# Altium PCB Archimajor.PcbDoc (part 2 of 12)
Units mm, origin at the board's own origin, x right, y up, seen from the top; angles counter-clockwise.
Board outline 190 x 140 mm, 6 copper layers (Top Layer, Top GND, Power Plane, Mid1, Bot GND, Bottom Layer), stack 1.776 mm thick; 1046 components, 682 nets, 3245 pads, 2865 vias.
Unrouted connection lines stored in the file: 97.
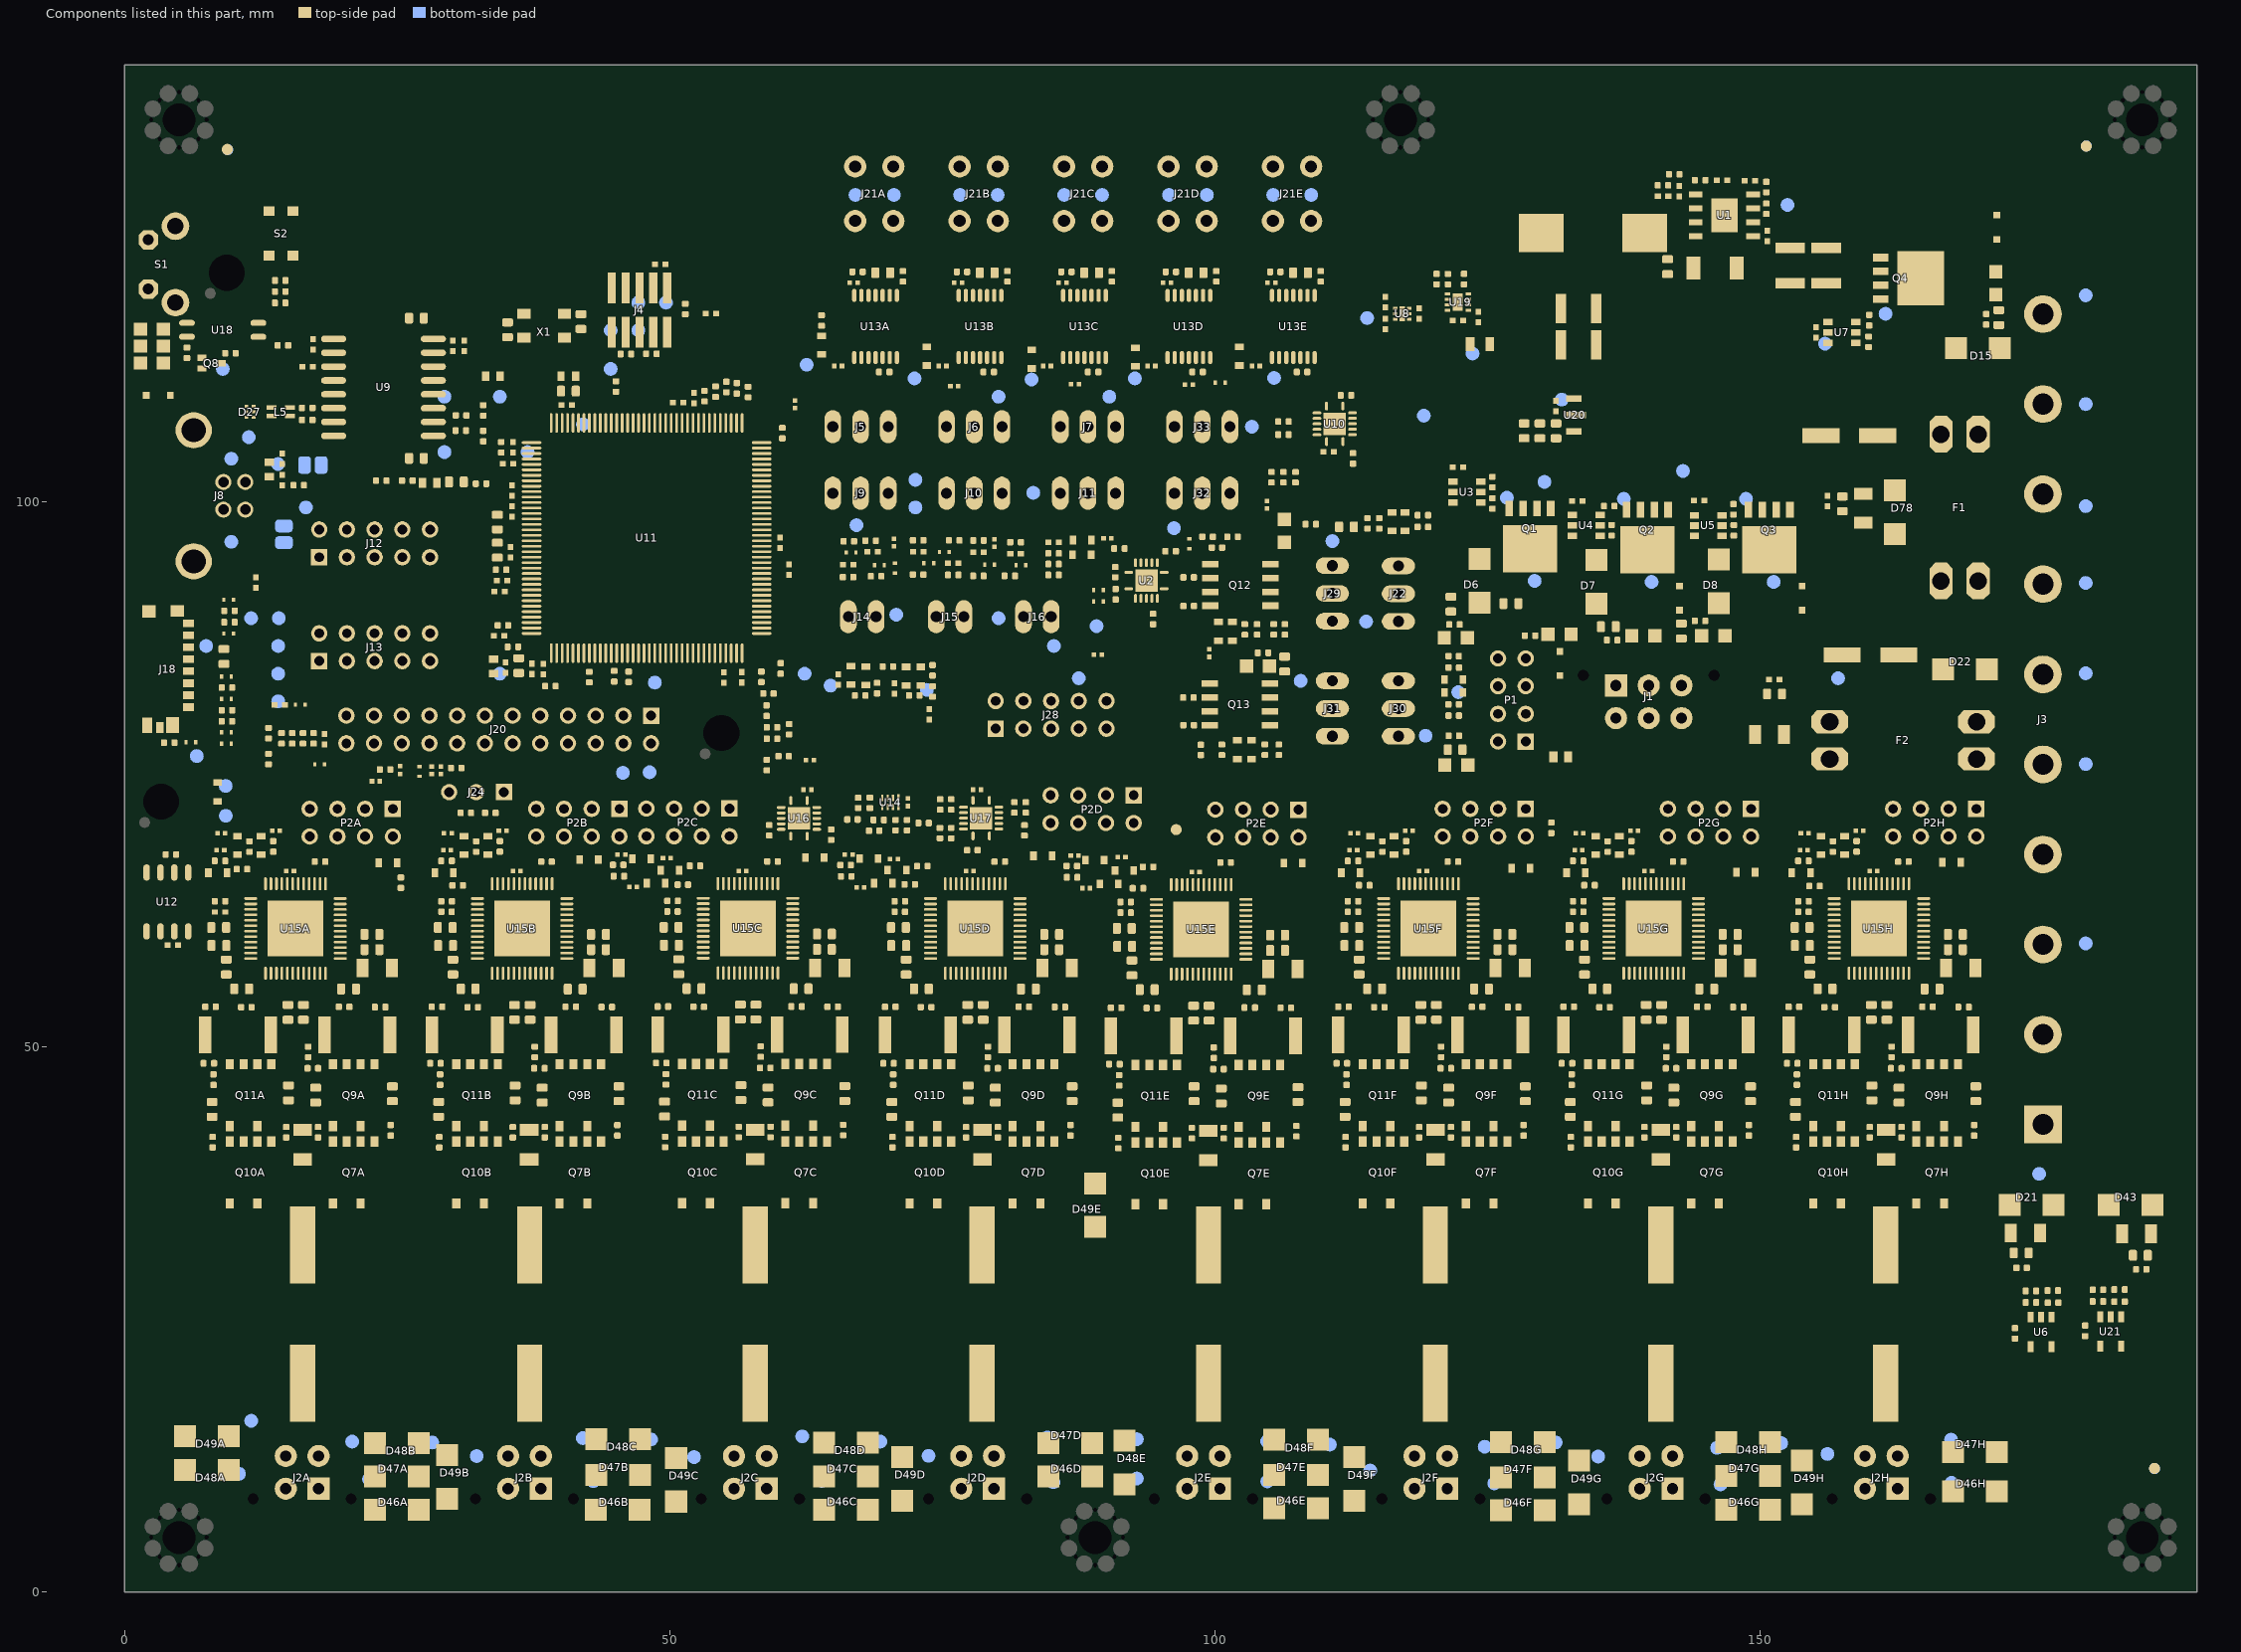
[diagram p6: the components of this part, seen from the top]

## Components (designator, comment, footprint, x,y, rotation, side; value= is the part's Value field where it differs from the comment) (continued)
Q11D "NVMFD5C478NT1G" "SO8FL-Dual (DFN8 5x6, 1.26P Dual Flag)" 73.882,45.56 r180 top (schematic designator Q11)
Q11E "NVMFD5C478NT1G" "SO8FL-Dual (DFN8 5x6, 1.26P Dual Flag)" 94.59,45.485 r180 top (schematic designator Q11)
Q11F "NVMFD5C478NT1G" "SO8FL-Dual (DFN8 5x6, 1.26P Dual Flag)" 115.432,45.56 r180 top (schematic designator Q11)
Q11G "NVMFD5C478NT1G" "SO8FL-Dual (DFN8 5x6, 1.26P Dual Flag)" 136.083,45.56 r180 top (schematic designator Q11)
Q11H "NVMFD5C478NT1G" "SO8FL-Dual (DFN8 5x6, 1.26P Dual Flag)" 156.733,45.56 r180 top (schematic designator Q11)
Q12 "NCV8402AD" NCV8402AD-SOIC8 102.313,92.336 r270 top value=NCV8402
Q13 "NCV8402AD" NCV8402AD-SOIC8 102.25,81.385 r270 top value=NCV8402
R1 "10.2k" R0402 144.466,129.448 r180 top
R2 "1.4K" R0402 150.529,128.821 r270 top
R3 "47R" R0402 68.343,72.359 r90 top
R4 "47R" R0402 69.148,70.784 r0 top
R5 "1.96k" R0402 142.091,129.998 r0 top
R6 "10K" R0402 128.868,87.684 r180 top
R7 "10K" R0402 136.393,87.284 r180 top
R8 "10K" R0402 144.455,89.034 r180 top
R9 "10K" R0402 170.693,116.698 r270 top
R10 "37.4k" R0402 141.055,128.974 r0 top
R11 "10K" R0402 150.529,126.84 r270 top
R12 "10K" R0402 121.943,88.709 r0 top
R13 "47R" R0402 70.693,70.309 r90 top
R14 "10K" R0402 121.888,78.509 r180 top
R15 "10K" R0402 104.393,86.109 r0 top
R16A "4.7k" R0402 8.755,67.035 r180 top (schematic designator R16)
R16B "4.7k" R0402 29.53,67.035 r0 top (schematic designator R16)
R16C "4.7k" R0402 45.333,65.633 r180 top (schematic designator R16)
R16D "4.7k" R0402 66.175,65.608 r180 top (schematic designator R16)
R16E "4.7k" R0402 86.883,65.533 r180 top (schematic designator R16)
R16F "4.7k" R0402 112.63,67.035 r0 top (schematic designator R16)
R16G "4.7k" R0402 133.28,67.035 r0 top (schematic designator R16)
R16H "4.7k" R0402 153.93,67.035 r0 top (schematic designator R16)
R17A "4.7k" R0402 13.637,68.365 r270 top (schematic designator R17)
R17B "4.7k" R0402 34.412,68.365 r270 top (schematic designator R17)
R17C "4.7k" R0402 45.268,66.669 r0 top (schematic designator R17)
R17D "4.7k" R0402 66.11,66.645 r0 top (schematic designator R17)
R17E "4.7k" R0402 86.853,66.569 r0 top (schematic designator R17)
R17F "4.7k" R0402 117.512,68.365 r270 top (schematic designator R17)
R17G "4.7k" R0402 138.163,68.365 r270 top (schematic designator R17)
R17H "4.7k" R0402 158.813,68.365 r270 top (schematic designator R17)
R18A "4.7k" R0402 11.462,68.35 r90 top (schematic designator R18)
R18B "4.7k" R0402 32.237,68.35 r90 top (schematic designator R18)
R18C "4.7k" R0402 52.308,66.584 r180 top (schematic designator R18)
R18D "4.7k" R0402 73.15,66.56 r180 top (schematic designator R18)
R18E "4.7k" R0402 93.858,66.484 r180 top (schematic designator R18)
R18F "4.7k" R0402 115.337,68.35 r90 top (schematic designator R18)
R18G "4.7k" R0402 135.988,68.35 r90 top (schematic designator R18)
R18H "4.7k" R0402 156.638,68.35 r90 top (schematic designator R18)
R19 "1k" R0402 66.418,96.334 r0 top
R20 "100R" R0402 136.35,97.344 r90 top
R21 "100R" R0402 147.551,97.346 r90 top
R22 "100K" R0402 66.339,93.054 r0 top
R23 "1k" R0402 68.918,93.134 r0 top
R24 "10r" R0402 147.526,99.276 r270 top value=10R
R25 "100R" R0402 159.905,114.629 r90 top
R26 "24K" R0402 174.795,27.6 r0 top
R27 "10r" R0402 159.956,116.611 r270 top value=10R
R28 "1M" R0402 173.329,23.717 r90 top
R29 "10K" R0402 111.99,109.723 r0 top
R30 "10K" R0402 106.261,107.321 r0 top
R31 "100K" R0402 51.423,117.639 r90 top
R32 "47R" R0402 71.743,70.309 r90 top
R33 "1K" R0402 14.283,120.254 r0 top value=1k
R34 "1K" R0402 14.279,119.241 r180 top value=1k
R35 "100K" R0402 68.414,96.396 r0 top
R36 "1K" R0402 14.278,118.198 r180 top value=1k
R37 "100K" R0402 45.974,113.51 r0 top
R38 "100K" R0402 48.311,113.535 r180 top
R39 "10K" R0402 106.261,106.121 r0 top
R40 "1k" R0402 53.188,109.652 r270 top
R41 "1k" R0402 45.062,110.526 r90 top
R42 "24r" R0402 32.893,108.344 r270 top value=24R
R43 "24r" R0402 16.764,108.573 r180 top value=24R
R44 "2k37" R0402 67.45,82.2 r0 top
R45 "24r" R0402 30.861,107.887 r180 top value=24R
R46 "24r" R0402 16.764,107.455 r180 top value=24R
R47 "24r" R0402 30.836,106.49 r180 top value=24R
R48 "24r" R0402 32.893,105.982 r90 top value=24R
R49 "6.8K" R0402 34.544,104.966 r270 top
R50 "2k37" R0402 69,82.871 r90 top
R51 "100K" R0402 32.69,101.613 r0 top
R52 "10R" R0402 125.417,101.775 r270 top
R53 "100R" R0402 125.417,99.8 r90 top
R54 "10K" R0402 112.643,103.934 r90 top
R55 "10R" R0402 136.133,99.564 r0 top
R56 "10K" R0402 174.794,26.548 r180 top
R57 "130k" R0402 176.796,27.639 r180 top
R58 "100K" R0402 176.819,26.523 r0 top
R59 "47R" R0402 75.8,69.58 r270 top
R60 "R0402TBD" R0402 59.368,79.284 r180 top
R61 "R0402TBD" R0402TBD 15.984,101.48 r180 top value=1M
R62 "4.7K" R0402 69.993,84.859 r0 top value=4.7k
R63 "100K" R0402 72.768,96.429 r0 top
R64 "10K" R0402 4.107,77.881 r180 top
R65 "10K" R0402 9.398,82.931 r180 top
R66 "10K" R0402 59.368,78.234 r180 top
R67 "10K" R0402 9.398,80.848 r0 top
R68 "10K" R0402 9.398,79.832 r0 top
R69 "10K" R0402 9.627,89.967 r180 top
R70 "10K" R0402 9.627,88.926 r180 top
R71 "1k" R0402 35.612,86.656 r180 top
R72 "1k" R0402 72.765,93.286 r0 top
R73 "100K" R0402 76.072,96.421 r180 top
R74 "1k" R0402 75.982,93.256 r180 top
R75 "100K" R0402 78.302,96.412 r0 top
R76 "1k" R0402 78.292,93.167 r0 top
R77 "24r" R0402 60.168,84.684 r90 top value=24R
R78 "100K" R0402 81.699,96.258 r0 top
R79 "1k" R0402 81.164,93.167 r0 top
R80 "4.7K" R0402 74.082,84.506 r90 top value=4.7k
R81 "2k37" R0402 72.407,82.206 r0 top
R82 "24r" R0402 58.393,83.909 r90 top value=24R
R83 "24r" R0402 58.868,80.809 r90 top value=24R
R84 "47R" R0402 75.8,72.21 r270 top
R85 "10K" R0402 4.257,67.62 r0 top
R86A "47R" R0402 17.925,66.96 r180 top (schematic designator R86)
R86B "47R" R0402 38.7,66.96 r180 top (schematic designator R86)
R86C "47R" R0402 59.408,66.984 r180 top (schematic designator R86)
R86D "47R" R0402 80.25,66.96 r180 top (schematic designator R86)
R86E "47R" R0402 100.958,66.884 r180 top (schematic designator R86)
R86F "47R" R0402 121.8,66.96 r180 top (schematic designator R86)
R86G "47R" R0402 142.45,66.96 r180 top (schematic designator R86)
R86H "47R" R0402 163.1,66.96 r180 top (schematic designator R86)
R87 "2k37" R0402 74.087,82.56 r90 top
R88A "47R" R0402 69.657,111.859 r0 top (schematic designator R88)
R88B "47R" R0402 79.233,111.859 r0 top (schematic designator R88)
R88C "47R" R0402 88.809,111.859 r0 top (schematic designator R88)
R88D "47R" R0402 98.385,111.859 r0 top (schematic designator R88)
R88E "47R" R0402 107.96,111.859 r0 top (schematic designator R88)
R89 "47R" R0402 77.736,68.016 r180 top
R90 "4.7K" R0402 85.177,94.256 r180 top value=4.7k
R91 "2k37" R0402 85.182,95.231 r0 top
R92 "2k37" R0402 85.182,93.256 r180 top
R93 "47R" R0402 81.593,71.934 r270 top
R94 "47R" R0402 58.893,75.829 r270 top
R95 "10K" R0402 63.915,116.584 r270 top
R96 "10K" R0402 108.768,97.909 r0 top
R97 "10K" R0402 130.818,70.059 r270 top
R98 "100R" R0402 97.568,93.034 r0 top
R99 "100R" R0402 97.568,90.409 r0 top
R100 "10K" R0402 25.343,65.034 r90 top
R101 "10K" R0402 90.875,91.481 r90 top
R102 "1k" R0402 122.821,120.384 r90 top
R103 "0R" R0603 131.693,76.584 r180 top
R107A "2.2R" R0402 8.763,63.336 r180 top (schematic designator R107)
R107B "2.2R" R0402 29.538,63.336 r180 top (schematic designator R107)
R107C "2.2R" R0402 50.246,63.36 r180 top (schematic designator R107)
R107D "2.2R" R0402 71.088,63.336 r180 top (schematic designator R107)
R107E "2.2R" R0402 91.796,63.26 r180 top (schematic designator R107)
R107F "2.2R" R0402 112.638,63.336 r180 top (schematic designator R107)
R107G "2.2R" R0402 133.288,63.336 r180 top (schematic designator R107)
R107H "2.2R" R0402 153.938,63.336 r180 top (schematic designator R107)
R108A "1k" R0402 10.773,66.276 r180 top (schematic designator R108)
R108B "1k" R0402 30.548,64.776 r180 top (schematic designator R108)
R108C "1k" R0402 51.198,64.851 r180 top (schematic designator R108)
R108D "1k" R0402 71.998,64.876 r180 top (schematic designator R108)
R108E "1k" R0402 92.923,64.526 r180 top (schematic designator R108)
R108F "1k" R0402 113.673,64.801 r180 top (schematic designator R108)
R108G "1k" R0402 134.323,64.801 r180 top (schematic designator R108)
R108H "1k" R0402 154.948,64.726 r180 top (schematic designator R108)
R109 "100R" R0402 55.194,110.49 r90 top
R110A "10R" R0402 24.409,42.33 r270 top (schematic designator R110)
R110B "10R" R0402 45.184,42.33 r270 top (schematic designator R110)
R110C "10R" R0402 65.892,42.354 r270 top (schematic designator R110)
R110D "10R" R0402 86.734,42.33 r270 top (schematic designator R110)
R110E "10R" R0402 107.442,42.254 r270 top (schematic designator R110)
R110F "10R" R0402 128.284,42.33 r270 top (schematic designator R110)
R110G "10R" R0402 148.935,42.33 r270 top (schematic designator R110)
R110H "10R" R0402 169.585,42.33 r270 top (schematic designator R110)
R111A "10R" R0402 17.755,42.152 r90 top (schematic designator R111)
R111B "10R" R0402 38.53,42.152 r90 top (schematic designator R111)
R111C "10R" R0402 59.237,42.176 r90 top (schematic designator R111)
R111D "10R" R0402 80.08,42.152 r90 top (schematic designator R111)
R111E "10R" R0402 100.787,42.076 r90 top (schematic designator R111)
R111F "10R" R0402 121.63,42.152 r90 top (schematic designator R111)
R111G "10R" R0402 142.28,42.152 r90 top (schematic designator R111)
R111H "10R" R0402 162.93,42.152 r90 top (schematic designator R111)
R112A "10R" R0402 17.272,48.019 r0 top (schematic designator R112)
R112B "10R" R0402 38.047,48.019 r0 top (schematic designator R112)
R112C "10R" R0402 58.755,48.044 r0 top (schematic designator R112)
R112D "10R" R0402 79.597,48.019 r0 top (schematic designator R112)
R112E "10R" R0402 100.305,47.944 r0 top (schematic designator R112)
R112F "10R" R0402 121.147,48.019 r0 top (schematic designator R112)
R112G "10R" R0402 141.797,48.019 r0 top (schematic designator R112)
R112H "10R" R0402 162.447,48.019 r0 top (schematic designator R112)
R113A "10R" R0402 16.84,49.518 r90 top (schematic designator R113)
R113B "10R" R0402 37.615,49.518 r90 top (schematic designator R113)
R113C "10R" R0402 58.323,49.542 r90 top (schematic designator R113)
R113D "10R" R0402 79.165,49.518 r90 top (schematic designator R113)
R113E "10R" R0402 99.873,49.442 r90 top (schematic designator R113)
R113F "10R" R0402 120.715,49.518 r90 top (schematic designator R113)
R113G "10R" R0402 141.365,49.518 r90 top (schematic designator R113)
R113H "10R" R0402 162.016,49.518 r90 top (schematic designator R113)
R114 "100R" R0402 56.134,110.363 r270 top
R115 "15K" R0402 120.306,120.384 r90 top
R116A "47R" R0402 20.142,53.658 r180 top (schematic designator R116)
R116B "47R" R0402 40.917,53.658 r180 top (schematic designator R116)
R116C "47R" R0402 61.625,53.683 r180 top (schematic designator R116)
R116D "47R" R0402 82.467,53.658 r180 top (schematic designator R116)
R116E "47R" R0402 103.175,53.583 r180 top (schematic designator R116)
R116F "47R" R0402 124.017,53.658 r180 top (schematic designator R116)
R116G "47R" R0402 144.667,53.658 r180 top (schematic designator R116)
R116H "47R" R0402 165.318,53.658 r180 top (schematic designator R116)
R119 "10K" R0402 121.335,120.384 r270 top
R120 "100R" R0402 54.204,110.058 r90 top
R133 "100R" R0402 57.175,110.033 r270 top
R134 "100R" R0402 25.933,101.893 r0 top
R135 "100R" R0402 42.622,83.886 r90 top
R136 "100R" R0402 23.546,101.893 r180 top
R137 "100R" R0402 34.519,93.726 r0 top
R138 "100R" R0402 14.402,78.271 r90 top
R139 "100R" R0402 17.348,78.271 r270 top
R140 "100R" R0402 34.697,88.634 r180 top
R141 "100R" R0402 16.366,78.271 r270 top
R142 "100R" R0402 44.902,83.966 r270 top
R143 "100R" R0402 15.384,78.271 r270 top
R144 "100R" R0402 60.318,106.259 r90 top
R145 "100R" R0402 13.212,78.751 r270 top
R148 "0.01R" R0805 124.27,114.416 r180 top
R149 "100R" R0402 13.212,76.376 r270 top
R150 "10K" R0402 9.717,113.58 r0 top
R151 "10K" R0402 5.732,113.622 r270 top
R152 "1k" R0402 14.532,114.304 r180 top
R153 "100R" R0402 23.897,75.411 r180 top
R154 "24K" R0402 180.937,27.707 r0 top
R155 "10K" R0402 180.937,26.64 r180 top
R156 "1M" R0402 179.768,23.947 r90 top
R157 "130k" R0402 182.918,27.732 r180 top
R158 "100K" R0402 182.918,26.614 r0 top
R159 "100R" R0402 46.222,83.911 r90 top
R160 "100R" R0402 30.422,75.55 r180 top
R161 "100R" R0402 39.047,83.061 r0 top
R162A "0.05R" R2512 21.336,51.075 r180 top (schematic designator R162)
R162B "0.05R" R2512 42.111,51.075 r180 top (schematic designator R162)
R162C "0.05R" R2512 62.819,51.1 r180 top (schematic designator R162)
R162D "0.05R" R2512 83.661,51.075 r180 top (schematic designator R162)
R162E "0.05R" R2512 104.369,51 r180 top (schematic designator R162)
R162F "0.05R" R2512 125.211,51.075 r180 top (schematic designator R162)
R162G "0.05R" R2512 145.861,51.075 r180 top (schematic designator R162)
R162H "0.05R" R2512 166.511,51.075 r180 top (schematic designator R162)
R163A "47R" R0402 23.442,53.633 r0 top (schematic designator R163)
R163B "47R" R0402 44.217,53.633 r0 top (schematic designator R163)
R163C "47R" R0402 64.924,53.657 r0 top (schematic designator R163)
R163D "47R" R0402 85.767,53.633 r0 top (schematic designator R163)
R163E "47R" R0402 106.474,53.557 r0 top (schematic designator R163)
R163F "47R" R0402 127.317,53.633 r0 top (schematic designator R163)
R163G "47R" R0402 147.967,53.633 r0 top (schematic designator R163)
R163H "47R" R0402 168.617,53.633 r0 top (schematic designator R163)
R164A "10R" R0402 14.834,42.152 r270 top (schematic designator R164)
R164B "10R" R0402 35.609,42.152 r270 top (schematic designator R164)
R164C "10R" R0402 56.316,42.176 r270 top (schematic designator R164)
R164D "10R" R0402 77.159,42.152 r270 top (schematic designator R164)
R164E "10R" R0402 97.866,42.076 r270 top (schematic designator R164)
R164F "10R" R0402 118.709,42.152 r270 top (schematic designator R164)
R164G "10R" R0402 139.359,42.152 r270 top (schematic designator R164)
R164H "10R" R0402 160.009,42.152 r270 top (schematic designator R164)
R165A "10R" R0402 8.085,41.238 r90 top (schematic designator R165)
R165B "10R" R0402 28.86,41.238 r90 top (schematic designator R165)
R165C "10R" R0402 49.568,41.262 r90 top (schematic designator R165)
R165D "10R" R0402 70.41,41.238 r90 top (schematic designator R165)
R165E "10R" R0402 91.118,41.162 r90 top (schematic designator R165)
R165F "10R" R0402 111.96,41.238 r90 top (schematic designator R165)
R165G "10R" R0402 132.611,41.238 r90 top (schematic designator R165)
R165H "10R" R0402 153.261,41.238 r90 top (schematic designator R165)
R166A "10R" R0402 8.162,46.975 r90 top (schematic designator R166)
R166B "10R" R0402 28.937,46.975 r90 top (schematic designator R166)
R166C "10R" R0402 49.645,47 r90 top (schematic designator R166)
R166D "10R" R0402 70.487,46.975 r90 top (schematic designator R166)
R166E "10R" R0402 91.195,46.9 r90 top (schematic designator R166)
R166F "10R" R0402 112.037,46.975 r90 top (schematic designator R166)
R166G "10R" R0402 132.688,46.975 r90 top (schematic designator R166)
R166H "10R" R0402 153.338,46.975 r90 top (schematic designator R166)
R167A "10R" R0402 7.737,48.475 r180 top (schematic designator R167)
R167B "10R" R0402 28.512,48.475 r180 top (schematic designator R167)
R167C "10R" R0402 49.22,48.5 r180 top (schematic designator R167)
R167D "10R" R0402 70.062,48.475 r180 top (schematic designator R167)
R167E "10R" R0402 90.77,48.4 r180 top (schematic designator R167)
R167F "10R" R0402 111.612,48.475 r180 top (schematic designator R167)
R167G "10R" R0402 132.263,48.475 r180 top (schematic designator R167)
R167H "10R" R0402 152.913,48.475 r180 top (schematic designator R167)
R168A "47R" R0402 11.167,53.625 r0 top (schematic designator R168)
R168B "47R" R0402 31.942,53.625 r0 top (schematic designator R168)
R168C "47R" R0402 52.65,53.65 r0 top (schematic designator R168)
R168D "47R" R0402 73.492,53.625 r0 top (schematic designator R168)
R168E "47R" R0402 94.2,53.55 r0 top (schematic designator R168)
R168F "47R" R0402 115.042,53.625 r0 top (schematic designator R168)
R168G "47R" R0402 135.693,53.625 r0 top (schematic designator R168)
R168H "47R" R0402 156.343,53.625 r0 top (schematic designator R168)
R169A "0.05R" R2512 10.412,51.075 r0 top (schematic designator R169)
R169B "0.05R" R2512 31.187,51.075 r0 top (schematic designator R169)
R169C "0.05R" R2512 51.895,51.1 r0 top (schematic designator R169)
R169D "0.05R" R2512 72.737,51.075 r0 top (schematic designator R169)
R169E "0.05R" R2512 93.445,51 r0 top (schematic designator R169)
R169F "0.05R" R2512 114.287,51.075 r0 top (schematic designator R169)
R169G "0.05R" R2512 134.938,51.075 r0 top (schematic designator R169)
R169H "0.05R" R2512 155.588,51.075 r0 top (schematic designator R169)
R170A "47R" R0402 7.887,53.65 r180 top (schematic designator R170)
R170B "47R" R0402 28.662,53.65 r180 top (schematic designator R170)
R170C "47R" R0402 49.37,53.675 r180 top (schematic designator R170)
R170D "47R" R0402 70.212,53.65 r180 top (schematic designator R170)
R170E "47R" R0402 90.92,53.575 r180 top (schematic designator R170)
R170F "47R" R0402 111.762,53.65 r180 top (schematic designator R170)
R170G "47R" R0402 132.413,53.65 r180 top (schematic designator R170)
R170H "47R" R0402 153.063,53.65 r180 top (schematic designator R170)
R171 "10K" R0402 94.303,89.209 r270 top
R172 "1.8K" R0402 106.393,88.259 r270 top
R173 "1.8K" R0402 119.043,98.734 r180 top
R174 "1K" R0402 102.718,88.256 r270 top
R175 "1K" R0402 105.368,88.259 r90 top
R176 "1K" R0402 115.043,97.984 r270 top
R177 "1K" R0402 119.043,97.659 r0 top
R180 "100R" R0402 97.543,82.009 r0 top
R181 "100R" R0402 97.568,79.48 r0 top
R182 "10K" R0402 95.918,95.434 r0 top
R183 "10K" R0402 91.223,95.68 r180 top
R184 "1.8K" R0402 105.831,77.223 r270 top
R185 "1.8K" R0402 121.872,81.384 r180 top
R186 "1K" R0402 100.62,77.223 r270 top
R187 "1K" R0402 104.553,77.222 r90 top
R188 "1K" R0402 121.871,84.759 r0 top
R189 "1K" R0402 121.872,80.359 r180 top
R190 "100K" R0402 101.589,96.756 r0 top
R191 "1k" R0402 99.306,96.756 r180 top
R192 "100K" R0402 106.268,102.209 r270 top
R193 "1k" R0402 105.168,102.209 r90 top
R197 "1k" R0402 33.55,71.44 r180 top
R198 "1k" R0402 31.3,71.435 r0 top
RV1 "AVRM0603C6R8NT101N" "C0201 Large Pads" 23.05,74.335 r180 top value=6.8V
RV2 "AVRM0603C6R8NT101N" "C0201 Large Pads" 25.272,75.361 r270 top value=6.8V
RV3 "AVRM0603C6R8NT101N" "C0201 Large Pads" 28.172,75.336 r270 top value=6.8V
RV4 "AVRM0603C6R8NT101N" "C0201 Large Pads" 28.997,75.336 r270 top value=6.8V
RV5A "AVRM0603C6R8NT101N" "C0201 Large Pads" 8.875,69.56 r180 top value=6.8V (schematic designator RV5)
RV5B "AVRM0603C6R8NT101N" "C0201 Large Pads" 29.65,69.56 r180 top value=6.8V (schematic designator RV5)
RV5C "AVRM0603C6R8NT101N" "C0201 Large Pads" 49.723,67.276 r0 top value=6.8V (schematic designator RV5)
RV5D "AVRM0603C6R8NT101N" "C0201 Large Pads" 70.55,67.185 r0 top value=6.8V (schematic designator RV5)
RV5E "AVRM0603C6R8NT101N" "C0201 Large Pads" 91.423,67.376 r0 top value=6.8V (schematic designator RV5)
RV5F "AVRM0603C6R8NT101N" "C0201 Large Pads" 112.75,69.56 r180 top value=6.8V (schematic designator RV5)